# Altium PCB PokeyMain.PcbDoc (part 3 of 3) (continued)
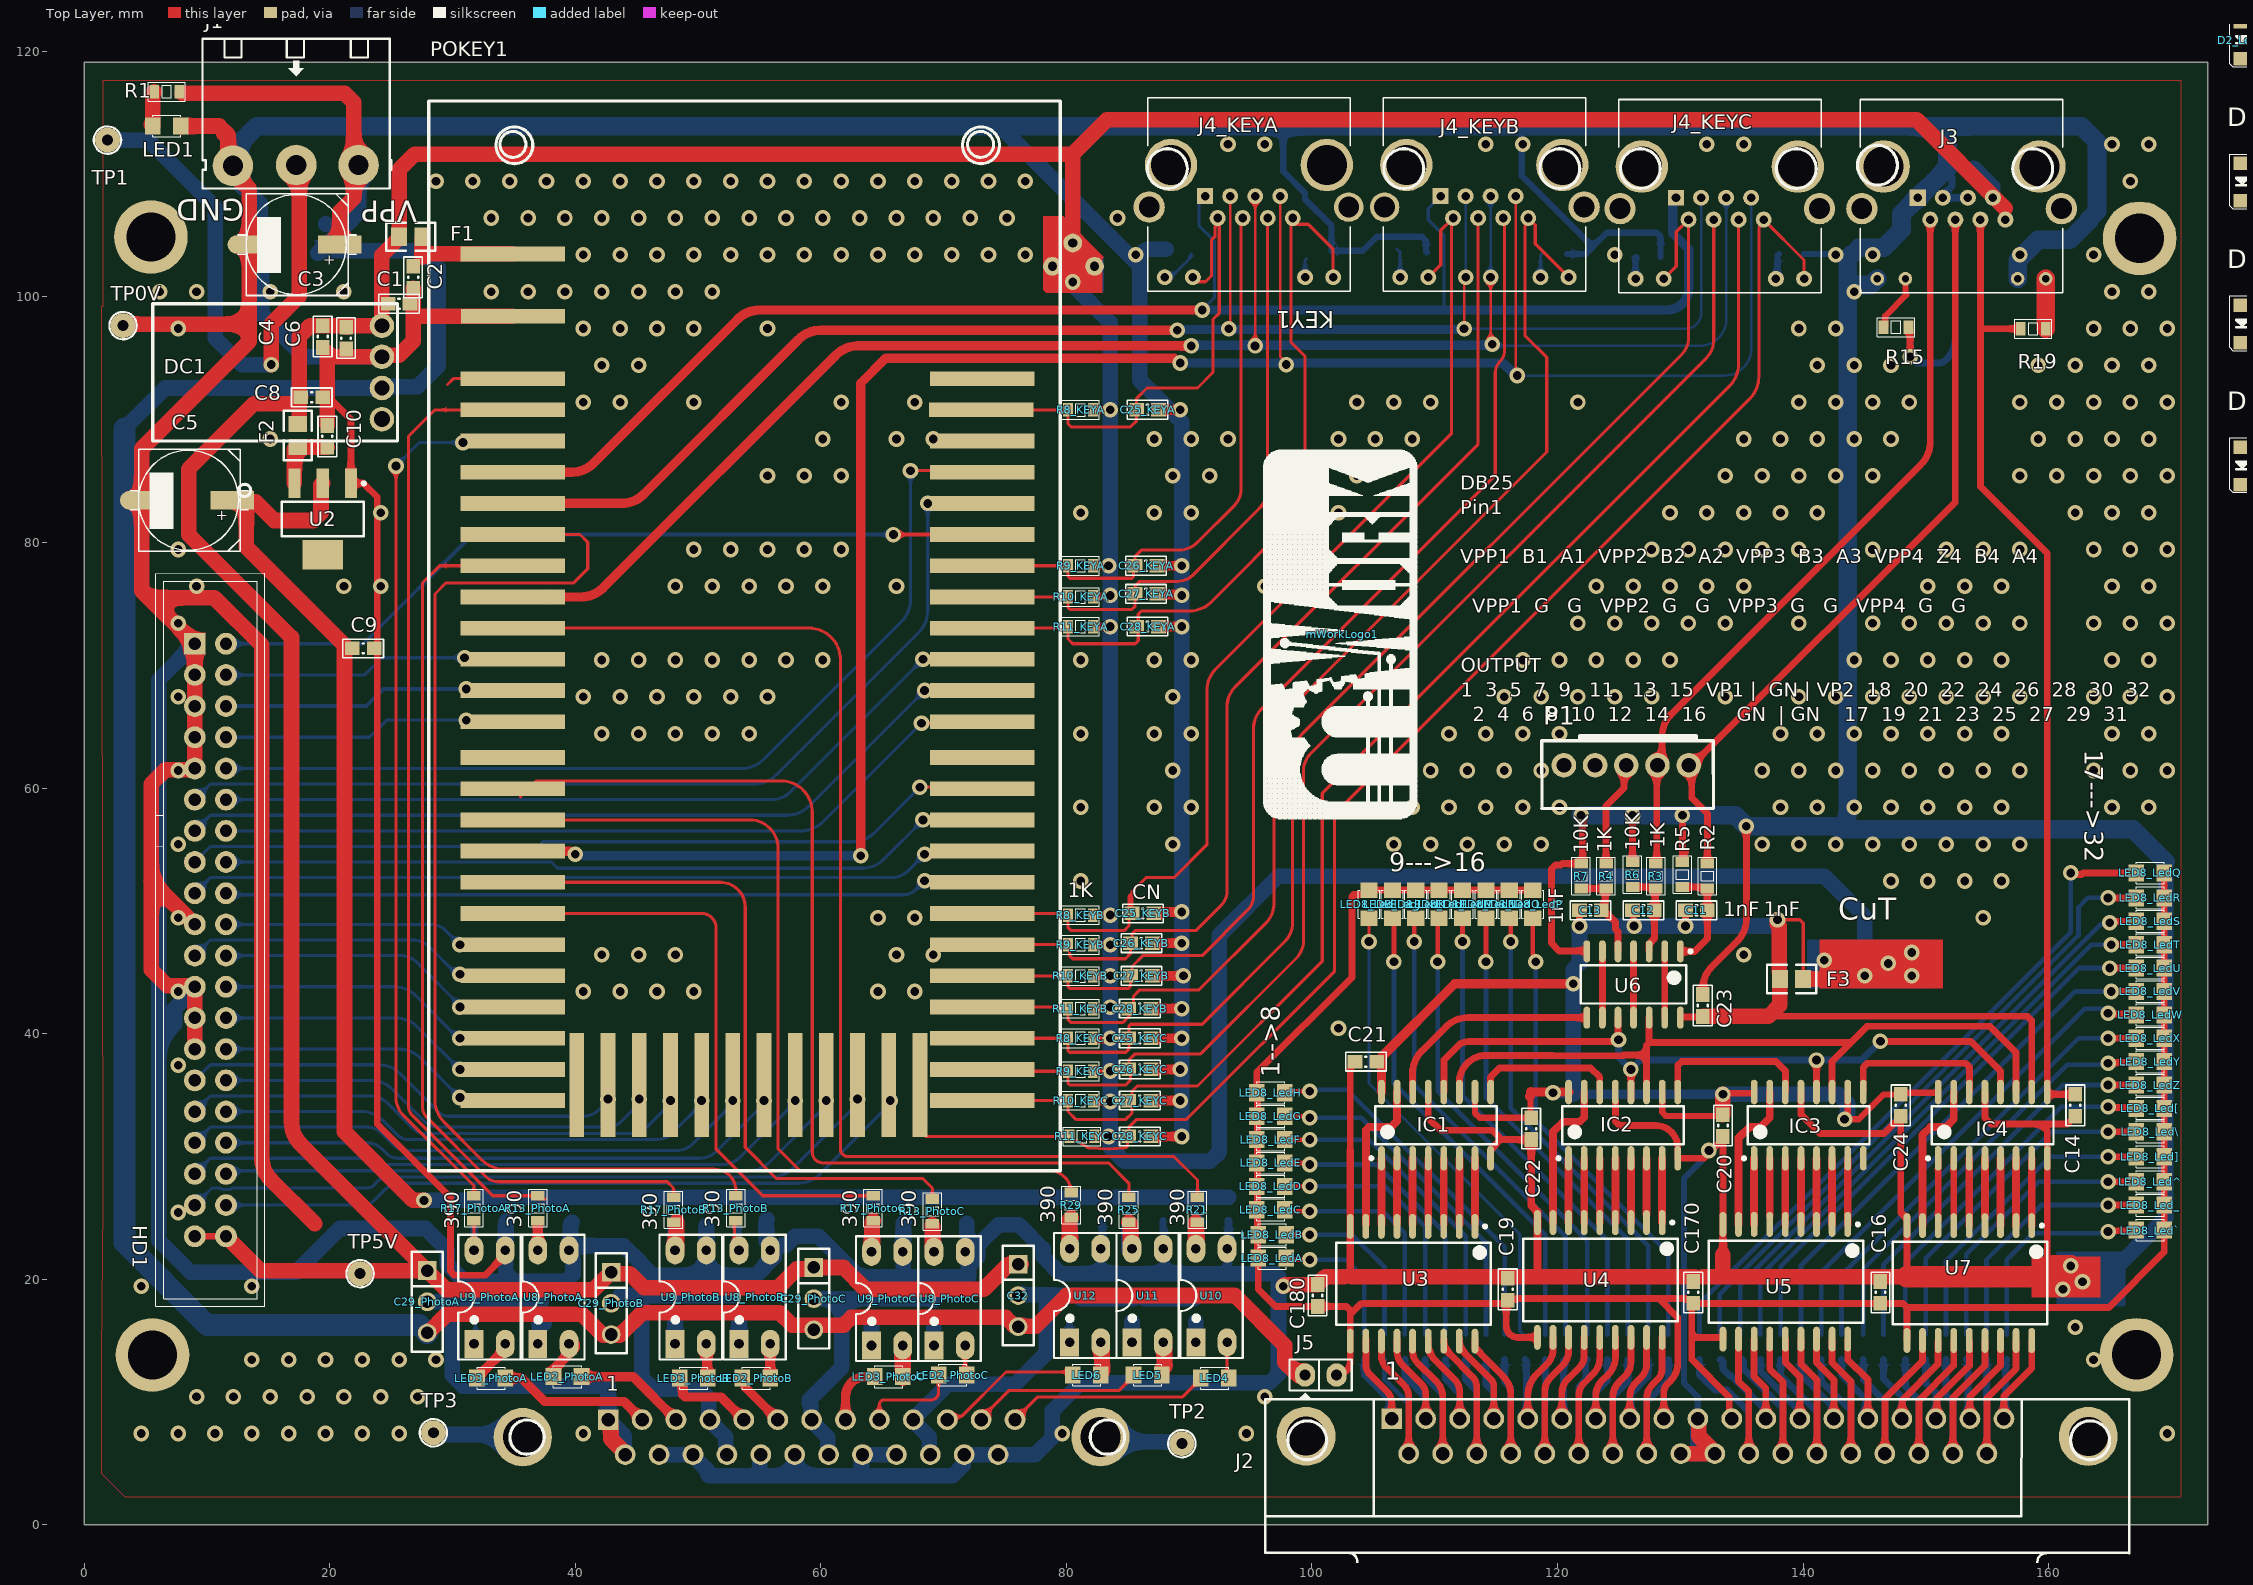
[diagram p0: Top Layer view]
## Nets (pads, with @x,y where several pads share a name; then routed paths per layer and width w, separated by ;. In a path a pad name is that pad's centre, name@x,y a point inside that pad or via, vN(x,y) a via of type N, cw(c..) or ccw(c..) an arc to the next point about the centre after c; other vN are vias at no path point) (continued)
  Top Layer w1.27: U9_PhotoB.4@48.26,22.394 R17_PhotoB.2@48.26,24.68
  Bottom Layer w1.27: U9_PhotoB.4@48.133,22.482 R16_PhotoB.2@48.133,24.638
NetR16_PhotoC_2: R16_PhotoC.2 R17_PhotoC.2 U9_PhotoC.4 | length 4.8
  Top Layer w1.27: U9_PhotoC.4@64.135,22.225 64.184,22.274 64.184,24.687 R17_PhotoC.2@64.262,24.765
  Bottom Layer w0.254: U9_PhotoC.4@64.135,22.225 U9_PhotoC.4@64.135,22.86
  Bottom Layer w0.635: U9_PhotoC.4@64.135,22.86 64.198,22.923 64.198,24.307 R16_PhotoC.2@64.262,24.37
NetR18_PhotoA_2: R18_PhotoA.2 U9_PhotoA.1 | length 1.8
  Bottom Layer w0.254: U9_PhotoA.1@31.75,14.732 31.877,14.859 R18_PhotoA.2@31.877,16.51
NetR18_PhotoB_2: R18_PhotoB.2 U9_PhotoB.1 | length 1.9
  Bottom Layer w1.27: U9_PhotoB.1@48.133,14.732 R18_PhotoB.2@48.133,16.637
NetR18_PhotoC_2: R18_PhotoC.2 U9_PhotoC.1 | length 1.8
  Bottom Layer w1.27: U9_PhotoC.1@64.135,14.605 R18_PhotoC.2@64.135,16.383
NetR20_2: R20.2 R21.2 U10.4 | length 4.4
  Top Layer w1.27: U10.4@90.551,22.479 R21.2@90.551,24.638
  Bottom Layer w1.27: U10.4@90.551,22.479 90.6,22.528 90.6,24.56 R20.2@90.678,24.638
NetR22_2: R22.2 U10.1 | length 1.7
  Bottom Layer w1.27: U10.1@90.551,14.859 R22.2@90.551,16.51
NetR24_2: R24.2 R25.2 U11.4 | length 4.4
  Top Layer w1.27: R25.2@85.09,24.638 85.217,24.511 85.217,23.056 85.295,22.977 85.295,22.403 U11.4@85.227,22.335
  Bottom Layer w1.27: U11.4@85.09,22.416 R24.2@85.09,24.434
NetR26_2: R26.2 U11.1 | length 1.3
  Bottom Layer w1.27: U11.1@85.217,15.367 85.344,15.367 R26.2@85.344,16.51
NetR28_2: R28.2 R29.2 U12.4 | length 4.8
  Top Layer w1.27: U12.4@80.264,22.479 80.264,24.892 R29.2@80.391,25.019
  Bottom Layer w1.27: U12.4@80.264,22.479 80.313,22.528 80.313,24.56 R28.2@80.391,24.638
NetR30_2: R30.2 U12.1 | length 1.7
  Bottom Layer w0.508: U12.1@80.264,14.859 R30.2@80.264,16.51
NetU6_2: U6.2 U6.13 | length 5.4
  Top Layer w0.559: U6.13@128.738,41.303 U6.2@128.738,46.703
NetU6_4: U6.4 U6.11 | length 5.4
  Top Layer w0.559: U6.11@126.198,41.303 U6.4@126.198,46.703
NetU6_6: U6.6 U6.9 | length 5.4
  Top Layer w0.559: U6.9@123.658,41.303 U6.6@123.658,46.703
O1: D2_LedA.1 J2.1@106.498,8.636 R31_LedA.1 U3.11 | length 13
  Top Layer w0.559: U3.11@104.394,15.137 104.394,13.022 ccw(c105.478,13.022) 104.712,12.256 106.108,10.858 cw(c105.168,9.918) 106.498,9.918 J2.1@106.498,8.636
  Bottom Layer w0.559: R31_LedA.1@104.267,13.462 104.267,12.192 106.299,10.16 106.299,8.835 J2.1@106.498,8.636
O2: D2_LedB.1 J2.20@107.883,5.796 R31_LedB.1 U3.12 | length 18.6
  Top Layer w0.559: U3.12@105.664,15.137 105.664,13.716 ccw(c106.89,13.716) 106.023,12.849 ; 106.023,12.849 107.505,11.367 cw(c106.594,10.455) 107.883,10.455 J2.20@107.883,5.796
  Bottom Layer w0.381: R31_LedB.1@105.918,13.462 105.918,11.811 107.883,9.846 J2.20@107.883,5.796
O3: D2_LedC.1 J2.2@109.268,8.636 R31_LedC.1 U3.13 | length 12.9
  Top Layer w0.559: U3.13@106.934,15.137 106.934,14.091 ccw(c108.452,14.091) 107.378,13.018 ; 107.379,13.018 108.902,11.493 ; 108.903,11.493 cw(c108.02,10.611) 109.268,10.611 J2.2@109.268,8.636
  Bottom Layer w0.559: R31_LedC.1@107.569,13.462 107.569,12.065 109.268,10.366 J2.2@109.268,8.636
O4: D2_LedD.1 J2.21@110.653,5.796 R31_LedD.1 U3.14 | length 18.5
  Top Layer w0.559: U3.14@108.204,15.137 108.204,14.097 ccw(c109.43,14.097) 108.563,13.23 ; 108.563,13.23 110.14,11.653 ; 110.14,11.653 cw(c108.9,10.414) 110.653,10.414 J2.21@110.653,5.796
  Bottom Layer w0.559: R31_LedD.1@109.22,13.462 109.22,12.065 110.653,10.632 J2.21@110.653,5.796
O5: D2_LedE.1 J2.3@112.038,8.636 R31_LedE.1 U3.15 | length 12.7
  Top Layer w0.559: U3.15@109.474,15.137 109.474,14.688 ccw(c111.208,14.688) 109.478,14.565 ccw(c111.208,14.688) 109.982,13.462 111.633,11.811 cw(c110.655,10.833) 112.038,10.833 J2.3@112.038,8.636
  Bottom Layer w0.559: R31_LedE.1@110.871,13.462 110.871,11.861 112.038,10.694 J2.3@112.038,8.636
O6: D2_LedF.1 J2.22@113.423,5.796 R31_LedF.1 U3.16 | length 18.4
  Top Layer w0.559: U3.16@110.744,15.137 110.744,15.071 ccw(c112.353,15.071) 111.215,13.933 113.057,12.092 ; 113.058,12.091 cw(c112.173,11.208) 113.423,11.208 J2.22@113.423,5.796
  Bottom Layer w0.559: R31_LedF.1@112.522,13.462 112.522,11.811 113.423,10.91 J2.22@113.423,5.796
O7: D2_LedG.1 J2.4@114.808,8.636 R31_LedG.1 U3.17 | length 12.6
  Top Layer w0.559: U3.17@112.014,15.137 112.014,15.071 ccw(c113.623,15.071) 112.485,13.933 114.581,11.838 cw(c114.033,11.29) 114.808,11.29 J2.4@114.808,8.636
  Bottom Layer w0.559: R31_LedG.1@114.173,13.462 114.173,11.43 114.808,10.795 J2.4@114.808,8.636
O8: D2_LedH.1 J2.23@116.193,5.796 R31_LedH.1 U3.18 | length 18.3
  Top Layer w0.559: U3.18@113.284,15.137 113.284,14.405 115.57,12.119 115.57,12.065 115.646,11.989 cw(c114.324,10.668) 116.193,10.668 J2.23@116.193,5.796
  Bottom Layer w0.559: R31_LedH.1@115.697,13.462 115.697,11.684 116.193,11.188 J2.23@116.193,5.796
O9: D2_LedI.1 J2.5@117.578,8.636 R31_LedI.1 U4.11 | length 12.2
  Top Layer w0.559: J2.5@117.578,8.636 117.578,10.481 cw(c120.118,10.481) 118.322,12.277 119.189,13.144 ; 119.19,13.145 ccw(c118.116,14.218) 119.634,14.218 U4.11@119.634,15.264
  Bottom Layer w0.559: R31_LedI.1@117.348,13.462 117.463,13.347 117.463,8.751 J2.5@117.578,8.636
O10: D2_LedJ.1 J2.24@118.963,5.796 R31_LedJ.1 U4.12 | length 17.8
  Top Layer w0.559: J2.24@118.963,5.796 118.963,10.841 cw(c120.604,10.841) 119.444,12.001 120.396,12.954 ccw(c119.17,14.18) 120.904,14.18 U4.12@120.904,15.264
  Bottom Layer w0.559: J2.24@118.963,5.796 118.963,9.809 118.999,9.845 R31_LedJ.1@118.999,13.462
O11: D2_LedK.1 J2.6@120.348,8.636 R31_LedK.1 U4.13 | length 12.2
  Top Layer w0.559: J2.6@120.348,8.636 120.348,10.686 cw(c122.029,10.686) 120.841,11.874 121.793,12.827 ccw(c120.873,13.747) 122.174,13.747 U4.13@122.174,15.264
  Bottom Layer w0.559: J2.6@120.348,8.636 120.499,8.787 120.499,13.341 120.62,13.462 R31_LedK.1@120.65,13.462
O12: D2_LedL.1 J2.25@121.733,5.796 R31_LedL.1 U4.14 | length 18
  Top Layer w0.559: J2.25@121.733,5.796 121.733,10.541 cw(c123.121,10.541) 122.139,11.522 ; 122.14,11.523 122.905,12.288 ccw(c121.604,13.589) 123.444,13.589 U4.14@123.444,15.264
  Bottom Layer w0.559: J2.25@121.733,5.796 121.733,11.243 122.301,11.811 122.301,13.341 122.422,13.462 R31_LedL.1@122.428,13.462
O13: D2_LedM.1 J2.7@123.118,8.636 R31_LedM.1 U4.15 | length 12.4
  Top Layer w0.559: J2.7@123.118,8.636 123.118,10.507 cw(c124.867,10.507) 123.629,11.742 cw(c124.867,10.507) 123.63,11.743 124.142,12.255 ccw(c122.763,13.635) 124.714,13.635 U4.15@124.714,15.264
  Bottom Layer w0.559: J2.7@123.118,8.636 123.118,10.797 124.079,11.758 R31_LedM.1@124.079,13.462
O14: D2_LedN.1 J2.26@124.503,5.796 R31_LedN.1 U4.16 | length 18.1
  Top Layer w0.559: J2.26@124.503,5.796 124.503,10.414 cw(c126.14,10.414) 124.982,11.571 125.476,12.065 ccw(c124.25,13.291) 125.984,13.291 U4.16@125.984,15.264
  Bottom Layer w0.559: J2.26@124.503,5.796 124.503,10.457 125.73,11.684 R31_LedN.1@125.73,13.462
O15: D2_LedO.1 J2.8@125.888,8.636 R31_LedO.1 U4.17 | length 12.5
  Top Layer w0.559: J2.8@125.888,8.636 125.888,10.428 cw(c127.461,10.428) 126.349,11.541 126.809,12.002 ; 126.81,12.002 ccw(c125.736,13.075) 127.254,13.075 U4.17@127.254,15.264
  Bottom Layer w0.559: J2.8@125.888,8.636 125.984,8.732 125.984,10.668 127.381,12.065 R31_LedO.1@127.381,13.462
O16: D2_LedP.1 J2.27@127.273,5.796 R31_LedP.1 U4.18 | length 18.3
  Top Layer w0.559: J2.27@127.273,5.796 127.273,10.326 cw(c128.758,10.326) 127.708,11.376 128.143,11.811 ccw(c127.223,12.731) 128.524,12.731 U4.18@128.524,15.264
  Bottom Layer w0.559: J2.27@127.273,5.796 127.273,10.052 129.032,11.811 R31_LedP.1@129.032,13.462
O17: D2_LedQ.1 J2.30 R31_LedQ.1 U5.11 | length 19.6
  Top Layer w0.559: U5.11@134.747,15.113 134.747,11.684 135.583,10.848 J2.30@135.583,5.796
  Bottom Layer w0.559: R31_LedQ.1@131.572,13.462 131.572,12.192 132.461,11.303 132.49,11.303 132.817,10.976 133.805,10.976 135.583,9.198 J2.30@135.583,5.796
O18: D2_LedR.1 J2.12@136.968,8.636 R31_LedR.1 U5.12 | length 13.4
  Top Layer w0.559: U5.12@136.017,15.113 136.017,12.065 136.968,11.114 J2.12@136.968,8.636
  Bottom Layer w0.559: R31_LedR.1@133.223,13.462 133.357,13.462 133.478,13.341 133.478,12.699 134.061,12.116 134.188,12.116 136.752,9.552 136.752,8.852 J2.12@136.968,8.636
O19: D2_LedS.1 J2.31 R31_LedS.1 U5.13 | length 19
  Top Layer w0.559: U5.13@137.287,15.113 137.287,12.7 138.353,11.634 J2.31@138.353,5.796
  Bottom Layer w0.559: R31_LedS.1@134.874,13.462 135.024,13.462 135.145,13.341 135.145,12.696 138.353,9.488 J2.31@138.353,5.796
O20: D2_LedT.1 J2.13@139.738,8.636 R31_LedT.1 U5.14 | length 13.1
  Top Layer w0.559: U5.14@138.557,15.113 138.557,13.208 139.738,12.027 J2.13@139.738,8.636
  Bottom Layer w0.559: R31_LedT.1@136.525,13.462 136.525,12.465 139.522,9.469 139.522,8.852 J2.13@139.738,8.636
O21: D2_LedU.1 J2.32 R31_LedU.1 U5.15 | length 18.7
  Top Layer w0.559: U5.15@139.827,15.113 139.827,13.087 141.123,11.791 J2.32@141.123,5.796
  Bottom Layer w0.559: R31_LedU.1@138.176,13.462 138.176,12.147 141.123,9.2 J2.32@141.123,5.796
O22: D2_LedV.1 J2.14@142.508,8.636 R31_LedV.1 U5.16 | length 13
  Top Layer w0.559: U5.16@141.097,15.113 141.097,13.208 142.508,11.797 J2.14@142.508,8.636
  Bottom Layer w0.559: R31_LedV.1@139.827,13.462 139.827,12.224 142.292,9.759 142.292,8.852 J2.14@142.508,8.636
O23: D2_LedW.1 J2.33 R31_LedW.1 U5.17 | length 18.6
  Top Layer w0.559: U5.17@142.367,15.113 142.367,13.208 143.893,11.682 J2.33@143.893,5.796
  Bottom Layer w0.559: R31_LedW.1@141.478,13.462 141.478,11.722 143.893,9.307 J2.33@143.893,5.796
O24: D2_LedX.1 J2.15@145.278,8.636 R31_LedX.1 U5.18 | length 12.9
  Top Layer w0.559: U5.18@143.637,15.113 143.637,13.462 145.278,11.821 J2.15@145.278,8.636
  Bottom Layer w0.559: R31_LedX.1@143.129,13.462 143.129,12.216 145.062,10.284 145.062,8.852 J2.15@145.278,8.636
O25: D2_LedY.1 J2.34 R31_LedY.1 U7.11 | length 18.9
  Top Layer w0.559: J2.34@146.663,5.796 146.663,10.265 149.733,13.335 U7.11@149.733,15.01
  Bottom Layer w0.559: R31_LedY.1@144.907,13.462 144.907,11.811 146.663,10.055 J2.34@146.663,5.796
O26: D2_LedZ.1 J2.16@148.048,8.636 R31_LedZ.1 U7.12 | length 13
  Top Layer w0.559: J2.16@148.048,8.636 148.082,8.67 148.082,10.16 151.003,13.081 U7.12@151.003,15.01
  Bottom Layer w0.559: R31_LedZ.1@146.558,13.462 146.558,11.887 148.048,10.397 J2.16@148.048,8.636
O27: D2_Led[.1 J2.35 R31_Led[.1 U7.13 | length 18.5
  Top Layer w0.559: J2.35@149.433,5.796 149.433,10.114 152.273,12.954 U7.13@152.273,15.01
  Bottom Layer w0.559: R31_Led[.1@148.336,13.462 148.336,11.258 149.433,10.161 J2.35@149.433,5.796
O28: D2_Led\.1 J2.17@150.818,8.636 R31_Led\.1 U7.14 | length 12.7
  Top Layer w0.559: J2.17@150.818,8.636 150.908,8.726 150.908,10.319 153.543,12.954 U7.14@153.543,15.01
  Bottom Layer w0.559: R31_Led\.1@149.987,13.462 149.987,11.557 150.818,10.726 J2.17@150.818,8.636
O29: D2_Led].1 J2.36 R31_Led].1 U7.15 | length 18.2
  Top Layer w0.559: J2.36@152.203,5.796 152.203,10.344 154.813,12.954 U7.15@154.813,15.01
  Bottom Layer w0.559: R31_Led].1@151.638,13.462 151.638,10.598 152.203,10.033 J2.36@152.203,5.796
O30: D2_Led^.1 J2.18@153.588,8.636 R31_Led^.1 U7.16 | length 12.4
  Top Layer w0.559: J2.18@153.588,8.636 153.588,10.459 156.083,12.954 U7.16@156.083,15.01
  Bottom Layer w0.559: R31_Led^.1@153.289,13.462 153.318,13.462 153.438,13.341 153.438,8.785 J2.18@153.588,8.636
O31: D2_Led_.1 J2.37 R31_Led_.1 U7.17 | length 17.9
  Top Layer w0.559: J2.37@154.973,5.796 154.973,10.32 157.353,12.7 U7.17@157.353,15.01
  Bottom Layer w0.559: R31_Led_.1@154.94,13.462 154.94,9.843 154.973,9.81 J2.37@154.973,5.796
O32: D2_Led`.1 J2.19@156.358,8.636 R31_Led`.1 U7.18 | length 12.2
  Top Layer w0.559: J2.19@156.358,8.636 156.358,10.477 158.623,12.742 U7.18@158.623,15.01
  Bottom Layer w0.559: J2.19@156.358,8.636 156.474,8.753 156.474,13.345 R31_Led`.1@156.591,13.462
OutP1: C29_PhotoA.2 J2.1@42.688,8.555 J2.14@44.069,5.715 R14_PhotoA.1 R18_PhotoA.1 | length 38
  Top Layer w1.27: J2.1@42.688,8.555 42.898,8.345 42.898,6.999 44.069,5.829 J2.14@44.069,5.715
  Bottom Layer w1.27: C29_PhotoA.2@27.94,18.161 30.226,18.161 ; R14_PhotoA.1@37.211,18.161 31.75,18.161 30.226,18.161 ; J2.14@44.069,5.715 43.988,5.795 43.988,7.255 J2.1@42.688,8.555 42.688,11.303 30.861,11.303 29.972,12.192 29.972,17.907 30.226,18.161
OutP2: C29_PhotoB.2 J2.4@50.971,8.555 J2.17@52.352,5.715 R14_PhotoB.1 R18_PhotoB.1 | length 27.2
  Bottom Layer w1.27: 43.688,18.669 45.466,18.669 ; J2.17@52.352,5.715 52.271,5.795 52.271,7.141 50.891,8.522 50.891,10.305 50.147,11.049 46.355,11.049 45.975,11.429 45.424,11.98 45.424,18.627 45.466,18.669 ; R14_PhotoB.1@52.832,18.669 R18_PhotoB.1@48.133,18.669 45.466,18.669
OutP3: C29_PhotoC.2 J2.7@59.254,8.555 J2.20@60.635,5.715 R14_PhotoC.1 R18_PhotoC.1 | length 24.5
  Top Layer w0.254: J2.20@60.48,5.87 J2.20@60.635,5.715
  Bottom Layer w1.27: C29_PhotoC.2@59.436,18.415 61.722,18.415 ; J2.20@60.635,5.715 60.554,5.795 60.554,7.141 59.174,8.522 59.174,9.787 59.055,9.906 59.055,10.16 61.722,12.827 61.722,18.415 ; R14_PhotoC.1@69.215,18.288 68.961,18.288 68.834,18.415 R18_PhotoC.1@64.135,18.415 61.722,18.415
OutP4: C32.2 J2.10@67.537,8.555 J2.23@68.918,5.715 R22.1 R26.1 R30.1 | length 34.9
  Top Layer w0.254: J2.10@67.537,8.555 J2.10@67.692,8.4
  Bottom Layer w1.27: J2.23@68.918,5.715 68.837,5.795 68.837,7.141 67.537,8.441 J2.10@67.537,8.555 67.537,8.609 70.358,11.43 75.819,11.43 78.359,13.97 78.359,18.748 ; C32.2@76.454,18.796 76.502,18.748 78.359,18.748 ; R26.1@85.468,18.415 81.172,18.415 80.918,18.669 80.264,18.669 79.189,18.669 79.109,18.748 78.359,18.748 ; 86.36,18.415 90.424,18.415 R22.1@90.551,18.542
P8_FastENC: POKEY1.10 R21.1 | length 99.6
  Top Layer w0.254: POKEY1.10@34.925,73.025 59.055,73.025 cw(c59.055,70.485) 61.595,70.485 61.595,30.625 ccw(c62.237,30.625) 62.237,29.983 88.773,29.983 90.678,28.078 R21.1@90.678,26.67
P9/MOSI: HD1.4 POKEY1.11 | length 20.6
  Bottom Layer w0.254: HD1.4@11.557,69.215 22.86,69.215 24.257,70.612 v1(30.988,70.612) 31.623,70.612
P10/ENB: HD1.6 POKEY1.12 | length 20.8
  Bottom Layer w0.305: HD1.6@11.557,66.675 22.987,66.675 24.384,68.072 v1(31.115,68.072) 31.623,68.072 31.75,67.945
P11/SCK: HD1.8 POKEY1.13 | length 20.5
  Bottom Layer w0.254: HD1.8@11.557,64.135 23.241,64.135 24.638,65.532 v1(31.115,65.532) v1@31.496,65.532
P12_FastEnc: POKEY1.15 R25.1 | length 82.5
  Top Layer w0.254: POKEY1.15@34.925,59.944 35.065,59.944 35.538,59.471 35.538,59.287 36.195,59.944 36.83,60.579 56.769,60.579 cw(c56.769,58.039) 59.309,58.039 59.309,30.353 ccw(c60.198,30.353) 59.365,30.043 ccw(c60.198,30.353) 59.888,29.52 ccw(c60.198,30.353) 60.198,29.464 83.439,29.464 85.09,27.813 R25.1@85.09,26.67
P13_FastENC: POKEY1.16 R29.1 | length 73
  Top Layer w0.254: POKEY1.16@34.925,57.404 54.229,57.404 cw(c54.229,55.118) 54.997,57.271 cw(c54.229,55.118) 56.382,55.886 cw(c54.229,55.118) 56.515,55.118 56.515,30.625 58.311,28.829 78.613,28.829 cw(c78.613,27.051) R29.1@80.391,27.051
P17/PWM1: HD1.20 POKEY1.20 | length 24
  Top Layer w0.254: v1(30.607,47.244) POKEY1.20@34.925,47.244
  Bottom Layer w0.254: HD1.20@11.557,48.895 28.238,48.895 cw(c28.238,47.161) 29.464,48.387 v1(30.607,47.244)
P18/PWM2: HD1.21 POKEY1.21 | length 23.2
  Bottom Layer w0.254: HD1.21@9.017,46.355 10.287,47.625 26.751,47.625 cw(c26.751,45.674) 28.13,47.054 30.353,44.831 v1(30.607,44.831)
P19/PWM3: HD1.22 POKEY1.22 | length 25
  Top Layer w0.254: POKEY1.22@30.734,42.164 POKEY1.22@34.925,42.164
  Bottom Layer w0.254: HD1.22@11.557,46.355 25.825,46.355 cw(c25.825,44.621) 27.051,45.847 v1@30.734,42.164
  other v1: 30.607,42.164
P20/PWM4: HD1.24 POKEY1.23 | length 20.7
  Bottom Layer w0.254: HD1.24@11.557,43.815 25.237,43.815 cw(c25.237,41.275) 27.033,43.071 30.48,39.624 v1(30.607,39.624)
P21/PWM5: HD1.26 POKEY1.24 | length 20.7
  Bottom Layer w0.254: HD1.26@11.557,41.275 25.364,41.275 cw(c25.364,38.735) 27.16,40.531 v1(30.607,37.084)
P22/PWM6: HD1.28 POKEY1.25 | length 22.2
  Top Layer w0.254: POKEY1.25@33.401,34.798 33.655,34.544 POKEY1.25@34.925,34.544
  Bottom Layer w0.254: HD1.28@11.557,38.735 25.618,38.735 cw(c25.618,36.195) 27.414,37.991 v1(30.607,34.798)
P23/SS0: HD1.29 POKEY1.27 | length 37.6
  Top Layer w0.254: POKEY1.27@42.672,35.052 42.675,35.055 POKEY1.27@42.675,35.814
  Bottom Layer w0.254: HD1.29@9.017,36.195 10.287,37.465 24.031,37.465 cw(c24.031,35.08) 25.717,36.766 28.892,33.591 ccw(c29.659,34.358) 29.659,33.274 40.684,33.274 ccw(c40.684,35.008) 41.91,33.782 42.418,34.29 42.672,34.29 v1@42.672,35.052
  other v1: 42.672,34.671
P24/SS1: HD1.30 POKEY1.28 | length 36.2
  Bottom Layer w0.254: HD1.30@11.557,36.195 23.332,36.195 cw(c23.332,33.655) 25.128,35.451 27.745,32.834 ccw(c28.829,33.918) 28.829,32.385 42.589,32.385 ccw(c42.589,34.119) 43.815,32.893 v1@45.212,34.29 ; v1@45.085,34.417 45.212,34.544 v1@45.212,34.798
  other v1: 45.212,34.671
P25/SS2: HD1.31 POKEY1.29 | length 41.3
  Bottom Layer w0.254: HD1.31@9.017,33.655 10.287,34.925 23.232,34.925 cw(c23.232,32.757) 24.764,34.291 cw(c23.232,32.757) 24.765,34.29 26.819,32.236 ; 26.819,32.236 ccw(c27.686,33.103) 27.686,31.877 44.704,31.877 ccw(c44.704,33.41) 45.788,32.326 v1@47.752,34.29
  other v1: 47.752,34.544
P26/SS3: HD1.32 POKEY1.30 | length 40.7
  Bottom Layer w0.254: HD1.32@11.557,33.655 22.57,33.655 cw(c22.57,31.115) 24.366,32.911 25.59,31.686 ccw(c26.357,32.453) 26.357,31.369 46.609,31.369 ccw(c46.609,33.209) 47.91,31.908 v1@50.292,34.29
  other v1: 50.292,34.544
P27/SS4: HD1.33 POKEY1.31 | length 46.5
  Bottom Layer w0.254: HD1.33@9.017,31.115 10.287,32.385 22.987,32.385 cw(c22.987,30.545) 24.288,31.846 25.273,30.861 ccw(c26.193,31.781) 26.193,30.48 48.26,30.48 ccw(c48.26,32.32) 49.561,31.019 v1@52.832,34.29
  other v1: 52.832,34.544
P28/SS5: HD1.34 POKEY1.32 | length 46
  Bottom Layer w0.254: HD1.34@11.557,31.115 22.987,31.115 cw(c22.987,29.275) 24.288,30.576 24.653,30.211 ; 24.654,30.21 ccw(c25.536,31.093) 25.536,29.845 50.165,29.845 ccw(c50.165,31.685) 51.466,30.384 v1@55.372,34.29
  other v1: 55.372,34.544
P29/SS6: HD1.35 POKEY1.33 | length 53
  Top Layer w0.254: POKEY1.33@57.785,34.29 57.915,34.42 POKEY1.33@57.915,35.814
  Bottom Layer w0.254: HD1.35@9.017,28.575 10.287,29.845 23.39,29.845 cw(c23.39,28.978) 24.002,29.592 ccw(c24.616,30.204) 24.616,29.337 51.934,29.337 ccw(c51.934,31.505) 53.466,29.971 ccw(c51.934,31.505) 53.467,29.972 v1@57.785,34.29
  other v1: 57.912,34.544
P30/SS7: HD1.36 POKEY1.34 | length 51.3
  Bottom Layer w0.254: HD1.36@11.557,28.575 11.811,28.829 54.066,28.829 ccw(c54.066,31.369) 55.862,29.573 v1@60.579,34.29
  other v1: 60.452,34.544
P31/SS8: HD1.37 POKEY1.35 | length 58.8
  Top Layer w0.254: v1(62.992,34.671) 62.995,34.674 POKEY1.35@62.995,35.814
  Bottom Layer w0.254: HD1.37@9.017,26.035 10.414,27.432 11.003,27.432 ccw(c11.557,28.575) 12.111,27.432 23.055,27.432 ccw(c23.054,28.191) 23.59,27.654 23.939,28.003 cw(c24.706,27.237) 24.706,28.321 55.971,28.321 ccw(c55.971,30.861) 57.767,29.065 62.992,34.29 v1(62.992,34.671)
P32/SS9: HD1.38 POKEY1.36 | length 57.3
  Bottom Layer w0.254: HD1.38@11.557,26.035 22.733,26.035 ccw(c22.733,27.261) 23.6,26.394 ; 23.6,26.394 24.48,27.274 cw(c25.781,25.973) 25.781,27.813 58.13,27.813 ccw(c58.13,30.353) 59.926,28.557 v1@65.659,34.29
  other v1: 65.659,34.544
P41/A0: HD1.18 POKEY1.45 | length 62.1
  Top Layer w0.254: v1(68.453,52.451) 73.028,52.451 POKEY1.45@73.155,52.324
  Bottom Layer w0.254: HD1.18@11.557,51.435 11.684,51.308 66.771,51.308 ccw(c66.771,52.609) 67.691,51.689 v1(68.453,52.451)
P42/A1: HD1.17 POKEY1.46 | length 65.5
  Top Layer w0.254: v1(68.453,54.61) 72.901,54.61 POKEY1.46@73.155,54.864
  Bottom Layer w0.254: HD1.17@9.017,51.435 10.287,52.705 65.74,52.705 ccw(c65.74,54.656) 67.119,53.276 v1(68.453,54.61)
P43/A2: HD1.16 POKEY1.47 | length 63.3
  Top Layer w0.254: v1(68.326,57.404) POKEY1.47@73.155,57.404
  Bottom Layer w0.254: HD1.16@11.557,53.975 38.052,53.975 38.56,53.467 63.404,53.467 ccw(c63.404,55.845) 65.085,54.163 v1(68.326,57.404)
P44/A3: HD1.15 POKEY1.48 | length 66.6
  Top Layer w0.254: v1(68.072,60.071) 73.028,60.071 POKEY1.48@73.155,59.944
  Bottom Layer w0.254: HD1.15@9.017,53.975 10.287,55.245 36.973,55.245 37.354,55.626 62.575,55.626 ccw(c62.575,58.166) 64.371,56.37 v1(68.072,60.071)
P45/A4: HD1.14 POKEY1.50 | length 65.2
  Top Layer w0.254: v1(68.199,65.278) 73.028,65.278 POKEY1.50@73.155,65.405
  Bottom Layer w0.254: HD1.14@11.557,56.515 58.384,56.515 ccw(c58.384,59.055) 60.18,57.259 v1(68.199,65.278)
P46/A5: HD1.13 POKEY1.51 | length 68.8
  Top Layer w0.254: v1(68.453,67.945) POKEY1.51@73.155,67.945
  Bottom Layer w0.254: HD1.13@9.017,56.515 10.287,57.785 57.277,57.785 ccw(c57.277,60.238) 59.011,58.503 v1(68.453,67.945)
P47/A6: HD1.12 POKEY1.52 | length 66.2
  Top Layer w0.254: v1(68.326,70.485) POKEY1.52@73.155,70.485
  Bottom Layer w0.254: HD1.12@11.557,59.055 55.998,59.055 ccw(c55.998,61.223) 57.53,59.689 ccw(c55.998,61.223) 57.531,59.69 v1(68.326,70.485)
P51/LATCH: HD1.2 POKEY1.56 | length 65.3
  Top Layer w0.305: v1(65.913,80.645) POKEY1.56@73.155,80.645
  Bottom Layer w0.305: HD1.2@11.557,71.755 22.733,71.755 31.623,80.645 v1(65.913,80.645)
PUMP: HD1.10 POKEY1.58 | length 78.2
  Top Layer w0.254: v1(67.31,85.852) 73.028,85.852 POKEY1.58@73.155,85.725
  Bottom Layer w0.254: HD1.10@11.557,61.595 53.558,61.595 ccw(c53.558,64.135) 55.354,62.339 66.566,73.551 ccw(c64.77,75.347) 67.31,75.347 v1(67.31,85.852)
SCK1: C11.1 R2.1 R5.1 U6.1 | length 8.8
  Top Layer w0.559: U6.1@130.008,46.703 131.158,46.703 132.207,47.752 C11.1@132.207,50.038 R2.1@132.207,51.816 132.057,51.816 131.93,51.943 R5.1@130.175,51.943
VCC: C5.1 C9.2 C30_PhotoA.2 C30_PhotoB.2 C30_PhotoC.2 C31_PhotoA.2 C31_PhotoB.2 C31_PhotoC.2 C33.2 C34.2 C35.2 R12_PhotoA.1 R12_PhotoB.1 R12_PhotoC.1 R16_PhotoA.1 R16_PhotoB.1 R16_PhotoC.1 R20.1 R24.1 R28.1 U2.2 | length 139.7
  Top Layer w1.27: C5.1@12.065,83.439 12.18,83.324 C5.1@13.208,83.324 ; U2.2@19.431,84.815 19.296,84.68 19.296,82.415 18.669,81.788 15.494,81.788 13.958,83.324 C5.1@13.208,83.324 ; v1(27.686,26.416) 26.797,26.416 21.209,32.004 21.209,71.628 13.208,79.629 C5.1@13.208,83.324
  Bottom Layer w1.27: v1(27.686,26.416) 31.496,26.416 R16_PhotoA.1@31.75,26.67 34.417,26.67 R12_PhotoA.1@36.83,26.67 39.751,26.67 40.132,26.67 R16_PhotoB.1@48.006,26.67 49.657,26.67 50.673,26.67 R12_PhotoB.1@53.086,26.67 C30_PhotoB.2@55.626,26.67 64.262,26.67 66.802,26.67 69.088,26.67 69.977,26.67 71.755,26.67 R24.1@85.217,26.67 87.884,26.67 R20.1@90.678,26.67 C33.2@93.218,26.67
Z4: J2.11@70.298,8.555 LED6.2 | length 12
  Top Layer w0.254: J2.11@70.298,8.555 70.573,8.83 71.47,8.83 75.086,12.446 LED6.2@80.645,12.446
pads on no net: DC1.4 J2.38 J2.39 J3.L1 J3.S1 J3.S2 J3.S3 J3.S4 J4_KEYA.S1 J4_KEYA.S2 J4_KEYA.S3 J4_KEYA.S4 J4_KEYB.S1 J4_KEYB.S2 J4_KEYB.S3 J4_KEYB.S4 J4_KEYC.S1 J4_KEYC.S2 J4_KEYC.S3 J4_KEYC.S4 P1.1 P1.2 POKEY1.2 POKEY1.14 POKEY1.26 POKEY1.49 POKEY1.59 POKEY1.61 U2.4
copper on no net: | length 5.5
  Top Layer w0.254: 29.602,92.872 30.075,93.345 34.925,93.345

## Polygon pours and split planes (outlines as drawn)
GND on Bottom Layer "NONET_L02_P001" (solid, shelved, pour order 1): 1.397,2.434 171.816,2.583 171.816,22.84 171.816,98.151 171.816,115.169 1.397,115.169
GND on Top Layer "NONET_L01_P000" (solid, shelved, pour order 0): 1.397,4.191 3.302,2.286 170.815,2.286 170.815,14.605 170.815,22.987 170.815,98.298 170.815,117.602 1.524,117.602 1.524,110.617 1.524,99.193 1.397,99.187 1.524,26.035 1.397,13.843 1.397,10.287 1.397,7.62 1.397,7.366

## Other copper
Top Layer:
  region net +5: 141.351,43.688 151.384,43.688 151.384,47.625 141.351,47.625
  region: 105.283,24.257
  region net GND: 158.623,21.844 164.211,21.844 164.211,18.542 158.623,18.542
  region net +5: 78.359,100.33 82.931,100.33 82.931,103.124 83.058,103.251 79.756,106.553 78.105,106.553 78.105,100.584
Bottom Layer:
  region net +5: 140.335,43.688 150.368,43.688 150.368,47.625 140.335,47.625
  region net GND: 160.655,22.225 166.243,22.225 166.243,17.907 166.116,17.78 160.655,17.78
  region net +5: 82.931,100.33 83.058,100.457 83.058,103.251 79.756,106.553 78.105,106.553 78.105,100.584 78.359,100.33

## Silkscreen, mask and mechanical layers (free items; w line width, h text height)
Top Overlay:
  circle w0.254: c13.069,84.241 r0.5
  circle w0.254: c158.707,110.449 r1.625
  circle w0.254: c146.062,110.731 r1.625
  circle w0.254: c139.447,110.449 r1.625
  circle w0.254: c126.747,110.449 r1.625
  circle w0.254: c120.187,110.449 r1.625
  circle w0.254: c107.487,110.449 r1.625
  circle w0.254: c88.227,110.449 r1.625
  circle w0.254: c92.037,158.308 r1.625
  circle w0.254: c36.077,7.139 r1.4
  circle w0.254: c83.347,7.139 r1.4
  circle w0.254: c99.622,6.877 r1.587
  circle w0.254: c163.376,6.877 r1.587
  lines w0.254: 35.047,110.849 ccw(c35.047,112.349) 35.047,113.849 ccw(c35.047,112.349) 35.047,110.849 ; 73.047,110.849 cw(c73.047,112.349) 73.047,113.849 cw(c73.047,112.349) 73.047,110.849
  text "GND" at 13.035,108.506 h3 r180
  text "VPP" at 27.129,108.412 h3 r180
  text "KEY1" at 101.808,99.268 h2.34 r180
  text "DB25 / Pin1 /  / VPP1  B1  A1  VPP2  B2  A2  VPP3  B3  A3  VPP4  Z4  B4  A4 /  /   VPP1  G   G   VPP2  G   G   VPP3  G   G   VPP4  G   G" at 112.075,73.883 h2
  text "OUTPUT / 1  3  5  7  9   11   13  15  VP1 |  GN | VP2  18  20  22  24  26  28  30  32 /   2  4  6  8  10  12  14  16     GN  | GN    17  19  21  23  25  27  29  31" at 112.141,65.024 h2
  text "17--->32" at 162.941,63.119 h1.52 r270
  text "9--->16" at 106.299,53.213 h1.52
  text "CuT" at 142.875,48.675 h3.05
  text "1-->8" at 97.39,36.452 h1.52 r90
  text "1" at 42.545,10.922 h1.2
Mechanical 1:
  lines w0.013: -0.053,2.849 -0.053,115.849 ; 172.947,2.849 172.947,115.849
  lines w0.381: 0,0 0,119.126 172.974,119.126 172.974,0 0,0
  lines w0.5: 0,0 0,118.999 172.974,118.999 172.974,0 0,0
  lines w0.508: 0,0 0,119.126 172.974,119.126 172.974,0 0,0

## Dimensions
222.504,60.579 to 220.472,72.009 on Drill Guide

## Text inside footprints (layer, text, board x,y; h text height)
C3: Top Overlay "+" at 20.497,103.367 h0.89 r180
C5: Top Overlay "+" at 11.734,82.539 h0.89 r180
J2: Top Overlay "1" at 105.918,11.811 h1.5
J2: Bottom Overlay "1" at 41.982,11.097 h1.5 r270